# Altium PCB NIMBUS_BASEv2_B.PcbDoc (part 2 of 3)
Units mm, origin at the board's own origin, x right, y up, seen from the top; angles counter-clockwise.
Board outline 112.96 x 78 mm, 4 copper layers (Top Layer, Signal Layer 1, GND, Bottom Layer), stack 0.778 mm thick; 176 components, 193 nets, 813 pads, 983 vias.
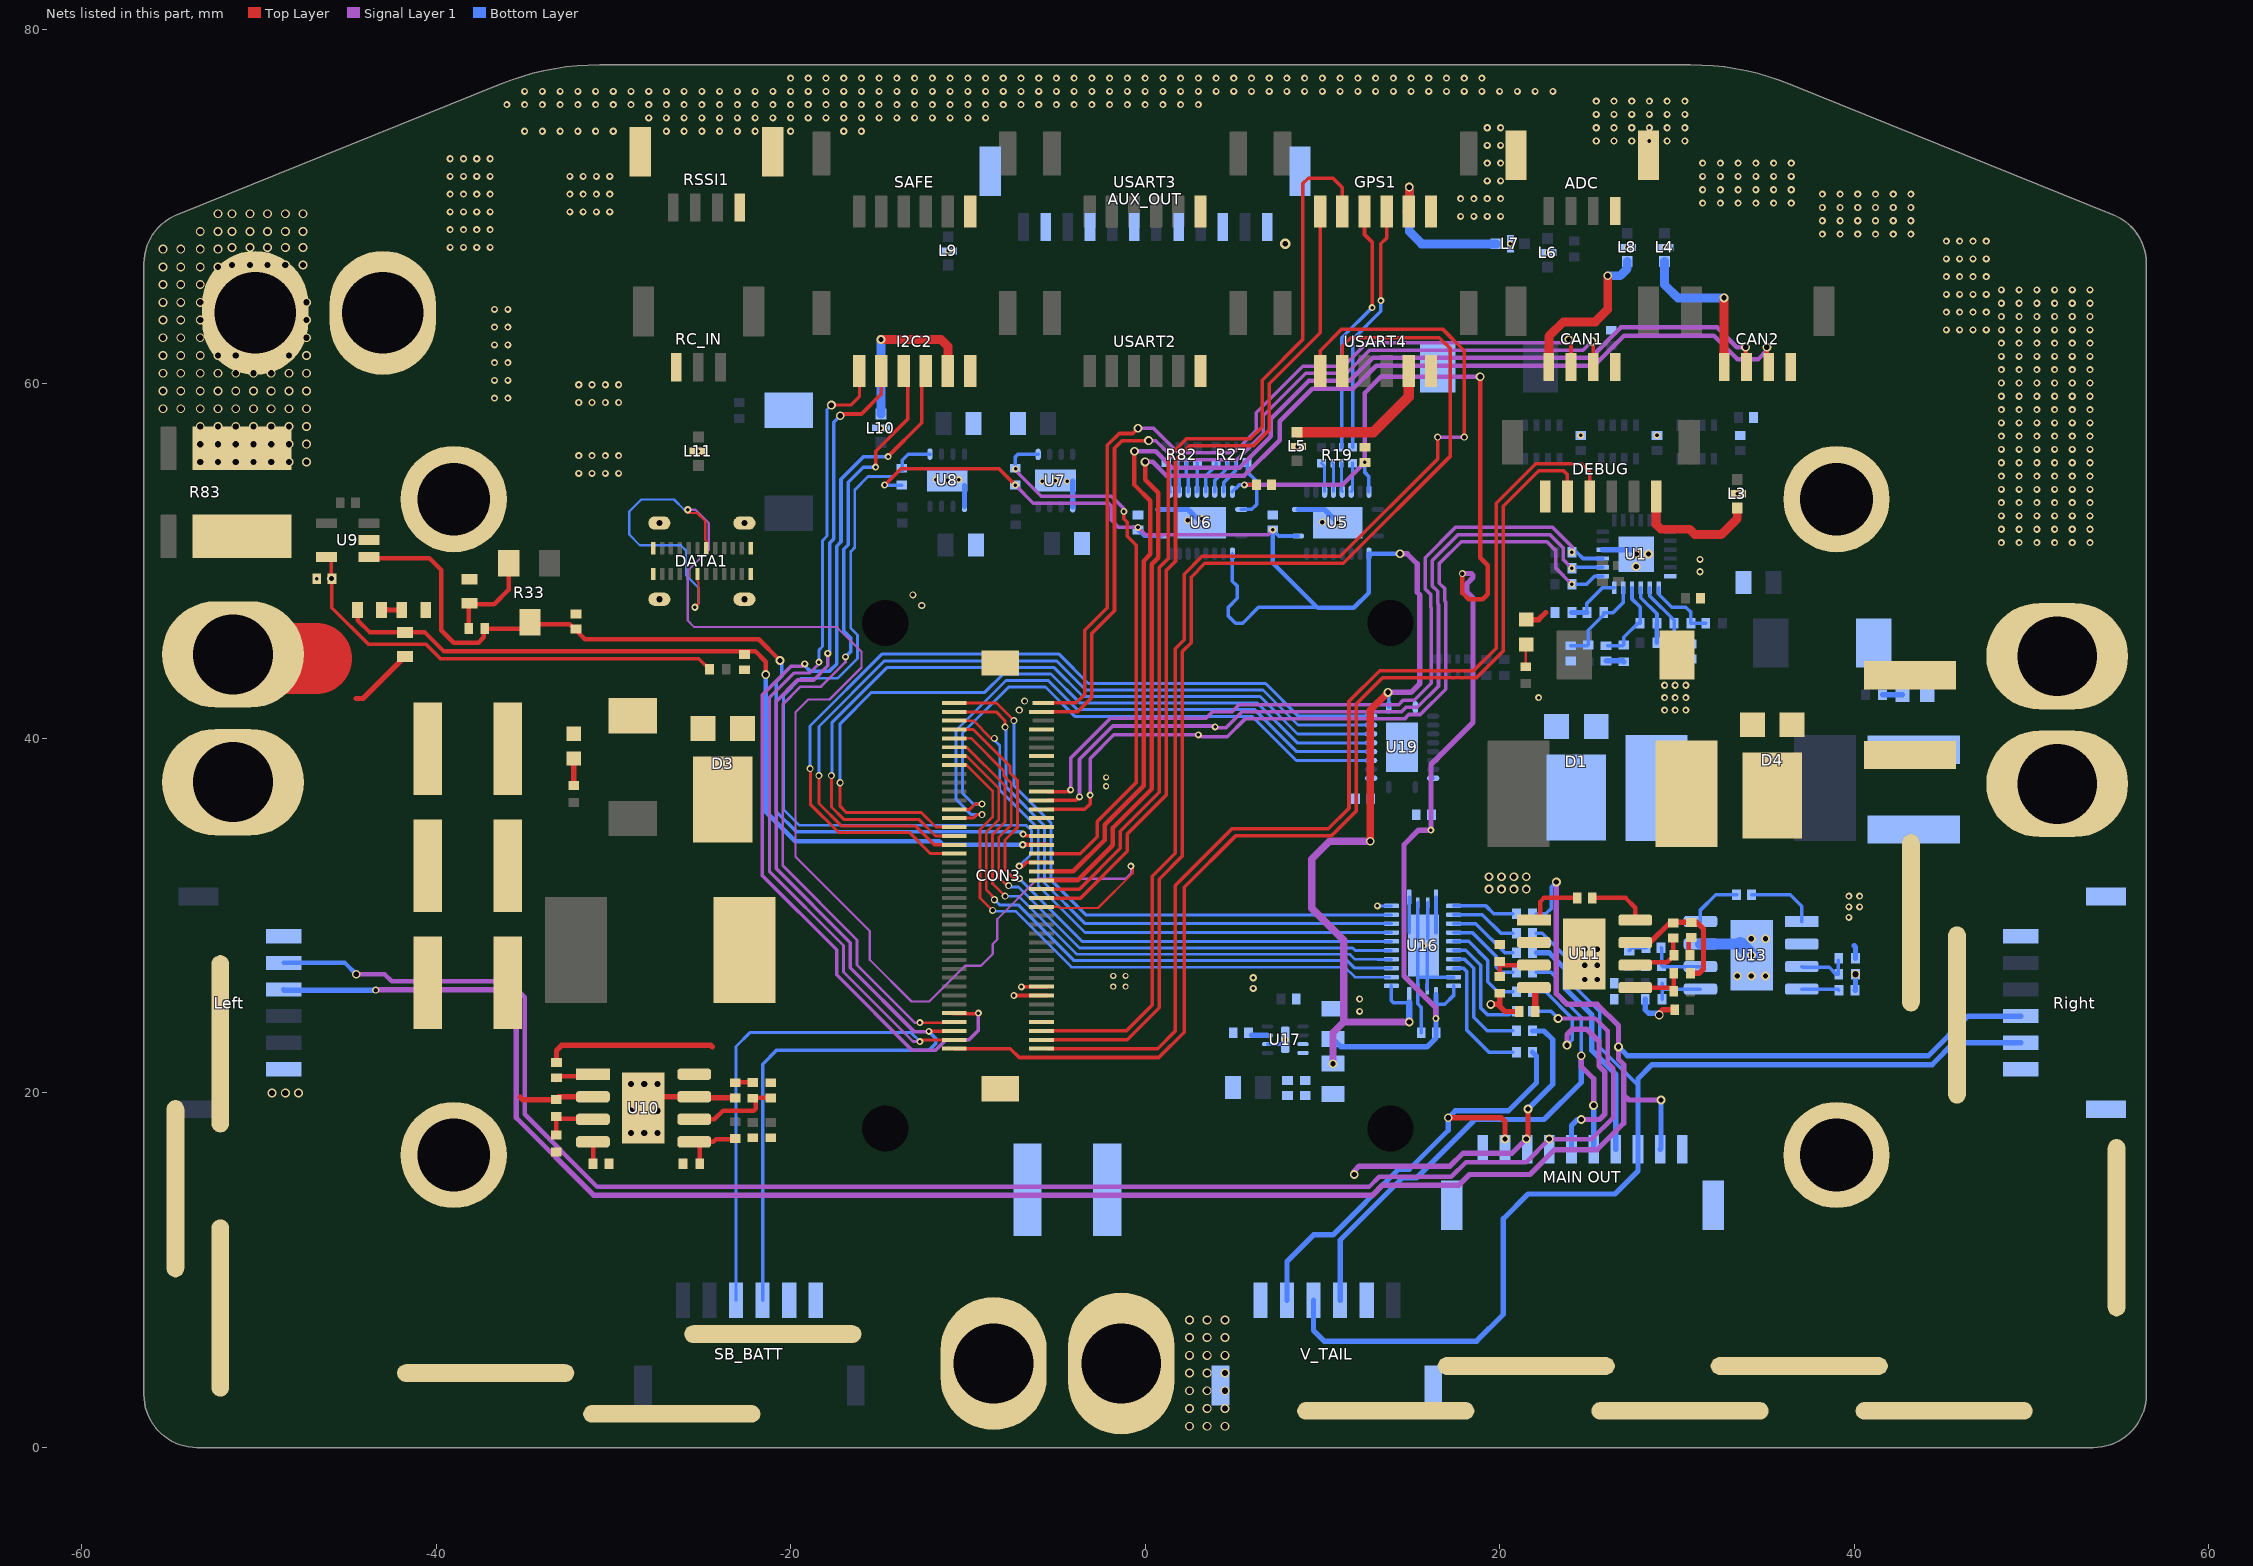
[diagram p4: the nets of this part, all layers, seen from the top]

## Via types
v1: diameter 0.4, hole 0.2, Top Layer to Bottom Layer, tented both sides, 647 vias
v2: diameter 0.5, hole 0.35, Top Layer to Bottom Layer, tented top, 135 vias
v3: diameter 0.5, hole 0.3, Top Layer to Bottom Layer, tented both sides, 126 vias
v4: diameter 0.4, hole 0.25, Top Layer to Bottom Layer, tented both sides, 46 vias
v5: diameter 0.35, hole 0.2, Top Layer to Bottom Layer, tented both sides, 18 vias
v6: diameter 0.6, hole 0.3, Top Layer to Bottom Layer, tented both sides, 6 vias
v7: diameter 0.65, hole 0.65, Top Layer to Bottom Layer, tented both sides, 4 vias
v8: diameter 0.7, hole 0.4, Top Layer to Bottom Layer, tented both sides, 1 vias

## Nets (pads, with @x,y where several pads share a name; then routed paths per layer and width w, separated by ;. In a path a pad name is that pad's centre, name@x,y a point inside that pad or via, vN(x,y) a via of type N, cw(c..) or ccw(c..) an arc to the next point about the centre after c; other vN are vias at no path point) (continued)
BAT+: pad.1@-50.2,64 R83.2
  other v2: -53.3,55.6 -52.3,55.6 -51.3,55.6 -50.3,55.6 -49.3,55.6 -48.3,55.6 -47.3,55.6 -53.3,56.6 -52.3,56.6 -51.3,56.6 -50.3,56.6 -49.3,56.6 -48.3,56.6 -47.3,56.6 -53.3,57.6 -52.3,57.6 -51.3,57.6 -50.3,57.6 -49.3,57.6 -48.3,57.6 -47.3,57.6 -55.4,58.6 -54.4,58.6 -53.3,58.6 -52.3,58.6 -51.3,58.6 -50.3,58.6 -49.3,58.6 -48.3,58.6 -47.3,58.6 -55.4,59.6 -54.4,59.6 -53.3,59.6 -52.3,59.6 -51.3,59.6 -50.3,59.6 -49.3,59.6 -48.3,59.6 -47.3,59.6 -55.4,60.6 -54.4,60.6 -53.3,60.6 -52.3,60.6 -51.3,60.6 -50.3,60.6 -49.3,60.6 -48.3,60.6 -47.3,60.6 -55.4,61.6 -54.4,61.6 -53.3,61.6 -52.3,61.6 -51.3,61.6 -48.3,61.6 -47.3,61.6 -55.4,62.6 -54.4,62.6 -53.3,62.6 -47.3,62.6 -55.4,63.6 -54.4,63.6 -53.3,63.6 -47.3,63.6 -55.4,64.6 -54.4,64.6 -53.3,64.6 -47.3,64.6 -55.4,65.6 -54.4,65.6 -53.3,65.6 -55.4,66.6 -54.4,66.6 -53.3,66.6 -52.3,66.6 -51.5,66.7 -50.5,66.7 -49.5,66.7 -48.5,66.7 -47.5,66.7 -55.4,67.6 -54.4,67.6 -53.3,67.6 -52.3,67.6 -51.5,67.7 -50.5,67.7 -49.5,67.7 -48.5,67.7 -47.5,67.7 -53.3,68.6 -52.3,68.6 -51.5,68.6 -50.5,68.6 -49.5,68.6 -48.5,68.6 -47.5,68.6 -52.3,69.6 -51.5,69.6 -50.5,69.6 -49.5,69.6 -48.5,69.6 -47.5,69.6
BATT1_CURRENT_PROT: CON3.25 R33.2 R34.2 R36.1 U9.1 | length 53.4
  Top Layer w0.2: v1(-6.882,34.604) -6.782,34.504 CON3.25@-5.502,34.504
  Top Layer w0.254: U9.1@-43.775,50.236 -43.775,50.173 -40.373,50.173 -39.7,49.5 -39.7,46.1 -39,45.4 -37.6,45.4 -37.3,45.7 -37.3,46.15 R34.2@-37.25,46.2 -35.05,46.2 R33.2@-34.7,46.55 -34.598,46.448 -32.448,46.448 -31.6,45.6 -21.8,45.6 v3(-20.6,44.4)
  Bottom Layer w0.2: v3(-20.6,44.4) -20.5,44.3 -20.5,43.5 -20.8,43.2 -20.8,35.87 -19.655,34.725 -7.002,34.725 v1(-6.882,34.604)
BATT1_VOLTAGE_PROT: C21.1 CON3.24 R29.2 R84.1 | length 49.7
  Top Layer w0.254: R29.2@-44.425,47.252 -44.425,46.675 -43.75,46 -40.646,46 -39.573,44.927 -22,44.927 -21.4,44.327 v3(-21.4,43.6) ; v1@-6.9,34 v1(-6.903,34.004) v1(-6.903,34.004) CON3.24@-5.502,34.004
  Bottom Layer w0.254: v3(-21.4,43.6) -21.4,35.866 -19.734,34.2 -11.6,34.2 -11.397,33.997 -6.903,33.997 v1(-6.903,34.004)
CAN1_VCC: CAN2.1 L4.P$1 | length 8.9
  Top Layer w0.5: CAN2.1@32.65,60.95 v3(32.65,64.85)
  Bottom Layer w0.5: L4.P$1@29.3,66.9 29.3,65.6 30.05,64.85 v3(32.65,64.85)
CAN2_VCC: CAN1.1 L8.P$1 | length 9.2
  Top Layer w0.5: CAN1.1@22.775,60.95 22.775,62.675 23.6,63.5 25.4,63.5 26.1,64.2 v3(26.1,66.1)
  Bottom Layer w0.5: v3(26.1,66.1) 26.8,66.1 27.2,66.5 L8.P$1@27.2,66.9
CAN_H_1: CAN1.2 CON3.40 | length 49
  Top Layer w0.2: CON3.40@-5.502,42.004 -3.877,42.004 -3.4,42.481 -3.4,46.1 -2.127,47.373 -2.127,56.539 -1.466,57.2 -0.7,57.2 v3(-0.4,57.5) ; CAN1.2@23.9,61.125 24,61.025 CAN1.2@23.925,60.95 ; v3(23.9,62.5) 24.025,62.375 CAN1.2@24.025,60.95
  Signal Layer 1 w0.2: v3(-0.4,57.5) 0.474,57.5 1.866,56.108 4.996,56.108 6.273,57.385 6.273,58.373 8.9,61 11.2,61 12.508,62.308 23.708,62.308 v3(23.9,62.5)
CAN_H_2: CAN2.2 CON3.21 | length 67.6
  Top Layer w0.254: CON3.21@-5.502,32.504 -4.046,32.504 -2.281,34.27 -2.281,35.135 -0.081,37.335 -0.081,50.004 0.296,50.381 0.296,53.404 -0.6,54.3 v3(-0.6,56.2) ; v3(33.875,62.068) 33.875,60.975 CAN2.2@33.9,60.95
  Signal Layer 1 w0.254: v3(-0.6,56.2) 0.6,56.2 1.519,55.281 5.339,55.281 7.1,57.042 7.1,58.03 9.243,60.173 11.543,60.173 12.851,61.481 25.135,61.481 26.835,63.181 32.265,63.181 33.378,62.068 v3(33.875,62.068) ; v3@33.875,62 v3@33.9,62
CAN_L_1: CAN1.3 CON3.39 | length 49.8
  Top Layer w0.2: CON3.39@-5.502,41.504 -3.811,41.504 -3,42.316 -3,45.934 -1.727,47.207 -1.727,56.373 -1.3,56.8 v3(0.2,56.8) ; CAN1.3@25.175,60.95 CAN1.3@25.2,60.975 ; v3(25.2,62.4) 25.275,62.325 CAN1.3@25.275,60.95
  Signal Layer 1 w0.2: v3(0.2,56.8) 0.608,56.8 1.7,55.708 5.162,55.708 6.673,57.219 6.673,58.207 9.066,60.6 11.366,60.6 12.674,61.908 24.708,61.908 v3(25.2,62.4)
CAN_L_2: CAN2.3 CON3.20 | length 68.9
  Top Layer w0.254: CON3.20@-5.502,32 -3.8,32 -1.827,33.973 -1.827,34.947 0.373,37.147 0.373,49.816 0.75,50.193 0.75,53.85 0,54.6 v3(0,55.6) ; v3(35.075,62.068) 35.075,61.025 CAN2.3@35.15,60.95
  Signal Layer 1 w0.254: v3(0,55.6) 0.427,55.6 1.2,54.827 5.6,54.827 7.6,56.827 7.6,57.888 9.431,59.719 11.731,59.719 13.039,61.027 25.323,61.027 27.023,62.727 32.077,62.727 33.404,61.4 34.6,61.4 35.075,61.875 v3(35.075,62.068) ; v3@35.1,62.068 v3@35.1,62.1
D2_3V3: C1.2 C14.2 C16.2 C64.2 C67.1 U5.19 U6.19 U16.23 U16.24 U17.7 U19.19 | length 78.7
  Top Layer w0.2: v1(5.6,54.3) C14.2@6.275,54.3
  Top Layer w0.254: v4(17.9,49.3) 17.9,48.2 18.25,47.85 19.05,47.85 19.336,48.137 19.336,49.763 18.9,50.2 v3(18.9,60.4)
  Signal Layer 1 w0.254: v1(5.6,54.3) 11.125,54.3 v1(12.4,55.575) 12.4,59.5 13.3,60.4 v3(18.9,60.4)
  Signal Layer 1 w0.3: v1(16.4,24.2) 16.4,24.8 14.6,26.6 14.6,34 15.424,34.824 v1(16.124,34.824) 16.124,38.524 18.5,40.9 18.5,47.922 18.15,48.272 18.15,48.728 18.5,49.078 18.5,49.2 18.4,49.3 v4(17.9,49.3)
  Bottom Layer w0.2: U6.19@4.925,53.918 5.307,54.3 v1(5.6,54.3) ; v1(12.4,55.575) 12.4,55 12.625,54.775 U5.19@12.625,53.918 ; v1@16.1,34.8 v1(16.124,34.824) 16.148,34.848 C64.2@16.148,35.687 16.148,37.656 U19.19@16.247,37.755 ; 16.408,25 16.9,25 17.399,25.499 U16.23@17.399,26.048
  Bottom Layer w0.3: C67.1@10.6,23.05 11.05,22.6 15.9,22.6 16.408,23.108 16.408,25 U16.24@16.408,25.54
DC2_FB: R37.1 R39.2 U10.5 | length 3.6
  Top Layer w0.254: R39.2@-25.125,16.187 -25.125,16.934 U10.5@-25.434,17.244 -24.357,17.244 -24.2,17.4 -23.151,17.4 R37.1@-23.126,17.425
DC2_SW: C24.2 D3.K L12.1 U10.8 | length 9.7
  Top Layer w0.3: C24.2@-33.2,21.712 -33.2,22.4 -32.9,22.7 -24.5,22.7 -24.4,22.6
DC4_FB: R53.1 R55.2 U13.5 | length 3.1
  Bottom Layer w0.2: R55.2@29.161,25.287 29.161,25.787 ; R53.1@29.161,26.187 29.161,25.787 ; U13.5@31.325,25.862 29.237,25.862 29.161,25.787
DC4_SW: C48.2 D1.K L15.1 U13.8 | length 3
  Bottom Layer w0.2: U13.8@31.325,29.672 31.325,30.326 32.186,31.187 C48.2@33.361,31.187
DC_FB: R43.1 R45.2 U11.5 | length 3.3
  Top Layer w0.254: U11.5@27.647,25.944 29.608,25.944 R43.1@29.818,25.733 R45.2@29.818,26.749
DC_SW: C32.2 D4.K L1.1 U11.8 | length 3.3
  Top Layer w0.254: C32.2@25.225,31 27.1,31 27.647,30.453 U11.8@27.647,29.754
ESC+: C25.1 C26.1 C33.1 C34.1 C49.1 C50.1 Left.6 P1.1 P2.1 P3.1 pad.3 R1.2 R30.2 R41.2 R83.1 R84.2 Right.6 U10.2 U11.2 U13.2 | length 13.5
  Top Layer w0.3: -44.5,42.25 -44.126,42.25 R84.2@-41.752,44.625 ; -35.25,19.75 -35.125,19.625 R30.2@-33.226,19.625 -33.068,19.784 U10.2@-31.149,19.784
  Top Layer w4: P1.1@-51.55,44.637 -51.413,44.5 -46.75,44.5
  Bottom Layer w0.3: 40,28.3 40.075,28.225 R1.2@40.075,27.6
  other v1: 39.7,29.9 39.7,30.5 40.3,30.5 39.7,31.1 40.3,31.1
  other v2: -49.25,20 -48.5,20 -47.75,20
  other v3: 19.4,31.5 20.1,31.5 20.8,31.5 21.5,31.5 19.4,32.2 20.1,32.2 20.8,32.2 21.5,32.2
FMU-SWCLK: CON3.80 DEBUG.5 | length 63
  Top Layer w0.2: CON3.80@-10.819,22.501 -7.601,22.501 -7.1,22 0.773,22 2.2,23.427 2.2,31.6 5.1,34.5 10.5,34.5 11.9,35.9 11.9,41.93 13.393,43.423 18.693,43.423 20.2,44.93 20.2,53.1 22.2,55.1 23.6,55.1 23.825,54.875 DEBUG.5@23.825,53.65
FMU-SWDIO: CON3.1 DEBUG.4 | length 58.9
  Top Layer w0.2: CON3.1@-5.502,22.501 0.708,22.501 1.7,23.493 1.7,31.7 4.9,34.9 10.334,34.9 11.5,36.066 11.5,42.096 13.227,43.823 18.527,43.823 19.8,45.096 19.8,53.266 22.034,55.5 24.6,55.5 25.075,55.025 DEBUG.4@25.075,53.65
FMU_CH1-PROT: CON3.58 U19.9 | length 48.4
  Top Layer w0.17: v4@-18.885,38.285 -18.885,36.285 -17.3,34.7 -13.3,34.7 -12.102,33.502 CON3.58@-10.769,33.502
  Bottom Layer w0.17: v4(-18.9,38.3) -18.9,40.7 -14.85,44.75 -4.85,44.75 -3.2,43.1 6.8,43.1 8.645,41.255 U19.9@12.747,41.255
FMU_CH2-PROT: CON3.57 U19.8 | length 47.1
  Top Layer w0.17: v4(-18.4,37.9) -18.4,36.323 -17.147,35.07 -12.97,35.07 -11.902,34.002 CON3.57@-10.769,34.002
  Bottom Layer w0.17: v4(-18.4,37.9) -18.4,40.677 -14.697,44.38 -5.003,44.38 -3.353,42.73 6.647,42.73 8.622,40.755 U19.8@12.747,40.755
FMU_CH3-PROT: CON3.56 U19.7 | length 45.6
  Top Layer w0.17: v4@-17.685,37.9 -17.685,36.132 -16.993,35.44 -12.763,35.44 -11.825,34.502 CON3.56@-10.769,34.502
  Bottom Layer w0.17: v4@-17.673,37.873 -17.673,40.88 -14.543,44.01 -5.157,44.01 -3.507,42.36 6.493,42.36 8.598,40.255 U19.7@12.747,40.255
  other v4: -17.7,37.9
FMU_CH4-PROT: CON3.55 U19.6 | length 44.3
  Top Layer w0.17: v4@-17.225,37.5 -17.225,36.195 -16.84,35.81 -12.61,35.81 -11.802,35.002 CON3.55@-10.769,35.002
  Bottom Layer w0.17: v4(-17.2,37.5) -17.2,40.83 -15.43,42.6 -9.047,42.6 -8.007,43.64 -5.31,43.64 -3.66,41.99 6.34,41.99 8.575,39.755 U19.6@12.747,39.755
FMU_CH5-PROT: CON3.54 U19.5 | length 33.6
  Top Layer w0.17: CON3.54@-10.769,35.502 -9.698,35.502 -9.5,35.7 v4(-9.2,35.7)
  Bottom Layer w0.17: v4(-9.2,35.7) -9.8,35.7 -10.67,36.57 -10.67,40.453 -7.853,43.27 -5.463,43.27 -3.813,41.62 6.187,41.62 8.552,39.255 U19.5@12.747,39.255
FMU_CH6-PROT: CON3.53 U19.4 | length 32.3
  Top Layer w0.17: CON3.53@-10.769,36.002 -9.898,36.002 -9.6,36.3 v4(-9.2,36.3)
  Bottom Layer w0.17: v4(-9.2,36.3) -9.7,36.3 -10.3,36.9 -10.3,40.3 -7.7,42.9 -5.616,42.9 -3.966,41.25 6.034,41.25 8.529,38.755 U19.4@12.747,38.755
FMU_RESET: CON3.4
GND: "MAIN OUT.1" "MAIN OUT.10" ADC.4 AUX_OUT.1 AUX_OUT.3 AUX_OUT.5 AUX_OUT.7 AUX_OUT.9 AUX_OUT.11 C1.1 C2.2 C3.2 C4.2 C5.C C6.C C7.1 C8.1 C9.1 C10.1 C11.2 C12.2 C13.1 C14.1 C15.1 C16.1 C17.2 C18.2 C19.2 C20.2 C21.2 C23.1 C25.2 C26.2 C27.C C28.2 C29.2 C30.2 C31.2 C33.2 C34.2 C35.C C36.2 C37.2 C38.2 C39.2 C45.2 C46.2 C47.2 C49.2 C50.2 C51.C C52.2 C53.2 C54.2 C55.2 C62.2 C63.1 C64.1 C65.1 C66.2 C67.2 CAN1.4 CAN2.4 CON3.7 CON3.8 CON3.27 CON3.PAD D1.A D2.2 D3.A D4.A D6.2 D7.2 DATA1.0 DATA1.A1 DATA1.A12 DATA1.B1 DATA1.B12 DEBUG.6 GPS1.1 I2C2.1 L3.GND L4.GND L5.GND L6.GND L7.GND L8.GND L9.GND L10.GND L11.GND Left.1 P1.2 P2.2 P3.2 pad.1@39,16.5 pad.1@39,53.5 pad.1@-39,16.5 pad.1@-39,53.5 pad.2 R2.2 R3.1 R5.1 R17.1 R31.2 R32.2 R35.1 R36.2 R39.1 R40.2 R42.2 R45.1 R46.2 R55.1 R56.2 RC_IN.1 Right.1 RSSI1.4 SAFE.1 SB_BATT.5 SB_BATT.6 U1.10 U1.24 U5.11 U5.21 U6.11 U6.21 U7.0 U7.1 U8.0 U8.1 U9.2 U10.7 U10.9 U11.7 U11.9 U13.7 U13.9 U16.11 U16.12 U16.13 U16.22 U17.2 U19.11 U19.21 USART2.1 USART3.1 USART4.1 V_TAIL.1 V_TAIL.5 | length 58.3
  Top Layer w0.2: v1(-7.4,25.498) CON3.7@-5.502,25.498 ; v1(-6.981,25.981) CON3.8@-5.502,25.981 ; USART4.1@16.125,60.725 USART4.1@16.2,60.65
  Top Layer w0.3: U10.9@-28.317,19.149 -27.682,19.784 U10.7@-25.434,19.784 -25.376,19.725 C31.2@-23.126,19.725 ; v3(19.5,25) 19.9,25 20,24.9 ; R42.2@20,25.625 20,24.9 ; R46.2@21.107,24.598 20.302,24.598 20,24.9 ; D7.2@21.5,46.7 22.2,46.7 22.6,47.1 ; U11.7@27.647,28.484 28.484,28.484 29.625,29.625 C39.2@30.8,29.625 31.125,29.625 31.5,29.25 31.5,27 31.249,26.749 R45.1@30.768,26.749 ; v2@29,24.5 29.2,24.7 C37.2@29.875,24.7
  Bottom Layer w0.17: v1(13.105,30.55) U16.11@13.896,30.55
  Bottom Layer w0.2: U17.2@6.906,22.755 7.656,22.755 v1(7.906,23.005) ; U16.22@14.896,29.026 U16.12@14.896,31.05 ; 15.375,26.53 U16.22@17.399,26.53 ; U16.22@15.375,28.713 U16.22@15.375,30.737 ; C1.1@15.575,23.4 15.575,24.825 15.375,25.025 U16.22@15.375,25.862 15.375,27.987 v1(15.7,28.312) 15.925,28.087 U16.22@15.925,25.862 ; U16.22@15.95,28.713 U16.22@15.95,30.737 ; U16.22@16.408,29.026 U16.13@16.408,31.05 ; C55.2@27.3,28.012 27.475,28.187 C54.2@28.261,28.187
  Bottom Layer w0.3: U8.1@-10.184,53.088 U8.0@-10.184,54.261 ; U7.1@-4.084,53.07 U7.0@-4.084,54.516 ; U6.11@0.925,52.918 2.425,52.918 U6.21@3.175,52.168 ; U5.11@8.625,52.918 10.125,52.918 v1(10.875,52.168) ; U1.10@25.815,50.65 27.466,50.65 v3(27.716,50.4) ; C3.2@26,44.375 26.95,44.375 R5.1@27,44.325 ; R55.1@28.211,25.287 28.211,24.689 28.4,24.5 28.9,24.5 v2(29,24.4) ; R56.2@40.05,25.8 40.075,25.825 v2(40.075,26.7)
  Bottom Layer w0.6: U13.7@31.325,28.402 U13.9@33.573,28.402
  Bottom Layer w0.8: U13.9@33.573,28.402 v3(34.208,27.767)
  other v1: 12.1,24.6 12.1,25.3 6.1,25.9 6.1,26.5 29.3,41.6 29.9,41.6 30.5,41.6 22.2,42.3 29.3,42.3 29.9,42.3 30.5,42.3 29.3,43 29.9,43 30.5,43 -46.725,49 31.3,49.4 31.3,50.1 48.3,51.05 49.3,51.05 50.3,51.05 51.3,51.05 52.3,51.05 53.3,51.05 48.3,51.8 49.3,51.8 50.3,51.8 51.3,51.8 52.3,51.8 53.3,51.8 3.2,52.4 48.3,52.55 49.3,52.55 50.3,52.55 51.3,52.55 52.3,52.55 53.3,52.55 48.3,53.3 49.3,53.3 50.3,53.3 51.3,53.3 52.3,53.3 53.3,53.3 48.3,54.05 49.3,54.05 50.3,54.05 51.3,54.05 52.3,54.05 53.3,54.05 -11.159,54.563 -5.059,54.545 -11.8,54.6 -10.5,54.6 48.3,54.8 49.3,54.8 50.3,54.8 51.3,54.8 52.3,54.8 53.3,54.8 -31.95,54.95 -31.2,54.95 -30.45,54.95 -29.7,54.95 48.3,55.55 49.3,55.55 50.3,55.55 51.3,55.55 52.3,55.55 53.3,55.55 -31.95,55.95 -31.2,55.95 -30.45,55.95 -29.7,55.95 48.3,56.3 49.3,56.3 50.3,56.3 51.3,56.3 52.3,56.3 53.3,56.3 48.3,57.05 49.3,57.05 50.3,57.05 51.3,57.05 52.3,57.05 53.3,57.05 24.575,57.093 28.875,57.093 48.3,57.8 49.3,57.8 50.3,57.8 51.3,57.8 52.3,57.8 53.3,57.8 48.3,58.55 49.3,58.55 50.3,58.55 51.3,58.55 52.3,58.55 53.3,58.55 -31.95,58.95 -31.2,58.95 -30.45,58.95 -29.7,58.95 -36.7,59.2 -35.95,59.2 48.3,59.3 49.3,59.3 50.3,59.3 51.3,59.3 52.3,59.3 53.3,59.3 -31.95,59.95 -31.2,59.95 -30.45,59.95 -29.7,59.95 48.3,60.05 49.3,60.05 50.3,60.05 51.3,60.05 52.3,60.05 53.3,60.05 -36.7,60.2 -35.95,60.2 48.3,60.8 49.3,60.8 50.3,60.8 51.3,60.8 52.3,60.8 53.3,60.8 -36.7,61.2 -35.95,61.2 48.3,61.55 49.3,61.55 50.3,61.55 51.3,61.55 52.3,61.55 53.3,61.55 -36.7,62.2 -35.95,62.2 48.3,62.3 49.3,62.3 50.3,62.3 51.3,62.3 52.3,62.3 53.3,62.3 45.2,63.05 45.95,63.05 46.7,63.05 47.45,63.05 48.3,63.05 49.3,63.05 50.3,63.05 51.3,63.05 52.3,63.05 53.3,63.05 -36.7,63.2 -35.95,63.2 48.3,63.8 49.3,63.8 50.3,63.8 51.3,63.8 52.3,63.8 53.3,63.8 45.2,64.05 45.95,64.05 46.7,64.05 47.45,64.05 -36.7,64.2 -35.95,64.2 48.3,64.55 49.3,64.55 50.3,64.55 51.3,64.55 52.3,64.55 53.3,64.55 45.2,65.05 45.95,65.05 46.7,65.05 47.45,65.05 48.3,65.3 49.3,65.3 50.3,65.3 51.3,65.3 52.3,65.3 53.3,65.3 45.2,66.05 45.95,66.05 46.7,66.05 47.45,66.05 45.2,67.05 45.95,67.05 46.7,67.05 47.45,67.05 -39.2,67.7 -38.45,67.7 -37.7,67.7 -36.95,67.7 45.2,68.05 45.95,68.05 46.7,68.05 47.45,68.05 38.2,68.45 39.2,68.45 40.2,68.45 41.2,68.45 42.2,68.45 43.2,68.45 -39.2,68.7 -38.45,68.7 -37.7,68.7 -36.95,68.7 38.2,69.2 39.2,69.2 40.2,69.2 41.2,69.2 42.2,69.2 43.2,69.2 17.8,69.45 18.55,69.45 19.3,69.45 20.05,69.45 -39.2,69.7 -38.45,69.7 -37.7,69.7 -36.95,69.7 -32.45,69.7 -31.7,69.7 -30.95,69.7 -30.2,69.7 38.2,69.95 39.2,69.95 40.2,69.95 41.2,69.95 42.2,69.95 43.2,69.95 31.45,70.2 32.45,70.2 33.45,70.2 34.45,70.2 35.45,70.2 36.45,70.2 17.8,70.45 18.55,70.45 19.3,70.45 20.05,70.45 -39.2,70.7 -38.45,70.7 -37.7,70.7 -36.95,70.7 -32.45,70.7 -31.7,70.7 -30.95,70.7 -30.2,70.7 38.2,70.7 39.2,70.7 40.2,70.7 41.2,70.7 42.2,70.7 43.2,70.7 31.45,70.95 32.45,70.95 33.45,70.95 34.45,70.95 35.45,70.95 36.45,70.95 19.3,71.45 20.05,71.45 -39.2,71.7 -38.45,71.7 -37.7,71.7 -36.95,71.7 -32.45,71.7 -31.7,71.7 -30.95,71.7 -30.2,71.7 31.45,71.7 32.45,71.7 33.45,71.7 34.45,71.7 35.45,71.7 36.45,71.7 19.3,72.45 20.05,72.45 31.45,72.45 32.45,72.45 33.45,72.45 34.45,72.45 35.45,72.45 36.45,72.45 -39.2,72.7 -38.45,72.7 -37.7,72.7 -36.95,72.7 19.3,73.45 20.05,73.45 25.45,73.7 26.45,73.7 27.45,73.7 28.45,73.7 29.45,73.7 30.45,73.7 -35,74.25 -34,74.25 -33,74.25 -32,74.25 -31,74.25 -30,74.25 -27,74.25 -26,74.25 -25,74.25 -24,74.25 -23,74.25 -22,74.25 -20,74.25 -17,74.25 -16,74.25 19.3,74.45 20.05,74.45 25.45,74.45 26.45,74.45 27.45,74.45 28.45,74.45 29.45,74.45 30.45,74.45 -28,75 -27,75 -26,75 -25,75 -24,75 -23,75 -22,75 -21,75 -20,75 -19,75 -18,75 -17,75 -16,75 -15,75 -14,75 -13,75 -12,75 -11,75 -10,75 -9,75 25.45,75.2 26.45,75.2 27.45,75.2 28.45,75.2 29.45,75.2 30.45,75.2 -36,75.75 -35,75.75 -34,75.75 -33,75.75 -32,75.75 -31,75.75 -30,75.75 -29,75.75 -28,75.75 -27,75.75 -26,75.75 -25,75.75 -24,75.75 -23,75.75 -22,75.75 -21,75.75 -20,75.75 -19,75.75 -18,75.75 -17,75.75 -16,75.75 -15,75.75 -14,75.75 -13,75.75 -12,75.75 -11,75.75 -10,75.75 -9,75.75 -8,75.75 -7,75.75 -6,75.75 -5,75.75 -4,75.75 -3,75.75 -2,75.75 -1,75.75 0,75.75 1,75.75 2,75.75 3,75.75 25.45,75.95 26.45,75.95 27.45,75.95 28.45,75.95 29.45,75.95 30.45,75.95 -35,76.5 -34,76.5 -33,76.5 -32,76.5 -31,76.5 -30,76.5 -29,76.5 -28,76.5 -27,76.5 -26,76.5 -25,76.5 -24,76.5 -23,76.5 -22,76.5 -21,76.5 -20,76.5 -19,76.5 -18,76.5 -17,76.5 -16,76.5 -15,76.5 -14,76.5 -13,76.5 -12,76.5 -11,76.5 -10,76.5 -9,76.5 -8,76.5 -7,76.5 -6,76.5 -5,76.5 -4,76.5 -3,76.5 -2,76.5 -1,76.5 0,76.5 1,76.5 2,76.5 3,76.5 4,76.5 5,76.5 6,76.5 7,76.5 8,76.5 9,76.5 10,76.5 11,76.5 12,76.5 13,76.5 14,76.5 15,76.5 16,76.5 17,76.5 18,76.5 19,76.5 20,76.5 21,76.5 22,76.5 23,76.5 -20,77.25 -19,77.25 -18,77.25 -17,77.25 -16,77.25 -15,77.25 -14,77.25 -13,77.25 -12,77.25 -11,77.25 -10,77.25 -9,77.25 -8,77.25 -7,77.25 -6,77.25 -5,77.25 -4,77.25 -3,77.25 -2,77.25 -1,77.25 0,77.25 1,77.25 2,77.25 3,77.25 4,77.25 5,77.25 6,77.25 7,77.25 8,77.25 9,77.25 10,77.25 11,77.25 12,77.25 13,77.25 14,77.25 15,77.25 16,77.25 17,77.25 18,77.25 19,77.25